# Altium PCB 2019.07.17.master.PcbDoc (part 4 of 6)
Units mm, origin at the board's own origin, x right, y up, seen from the top; angles counter-clockwise.
Board outline 160 x 120 mm, 6 copper layers (Top Signal, Top GND, Inner PWR, Inner Signal, Bottom GND, Bottom Signal), stack 1.571 mm thick; 405 components, 388 nets, 1694 pads, 1293 vias.
Unrouted connection lines stored in the file: 2.
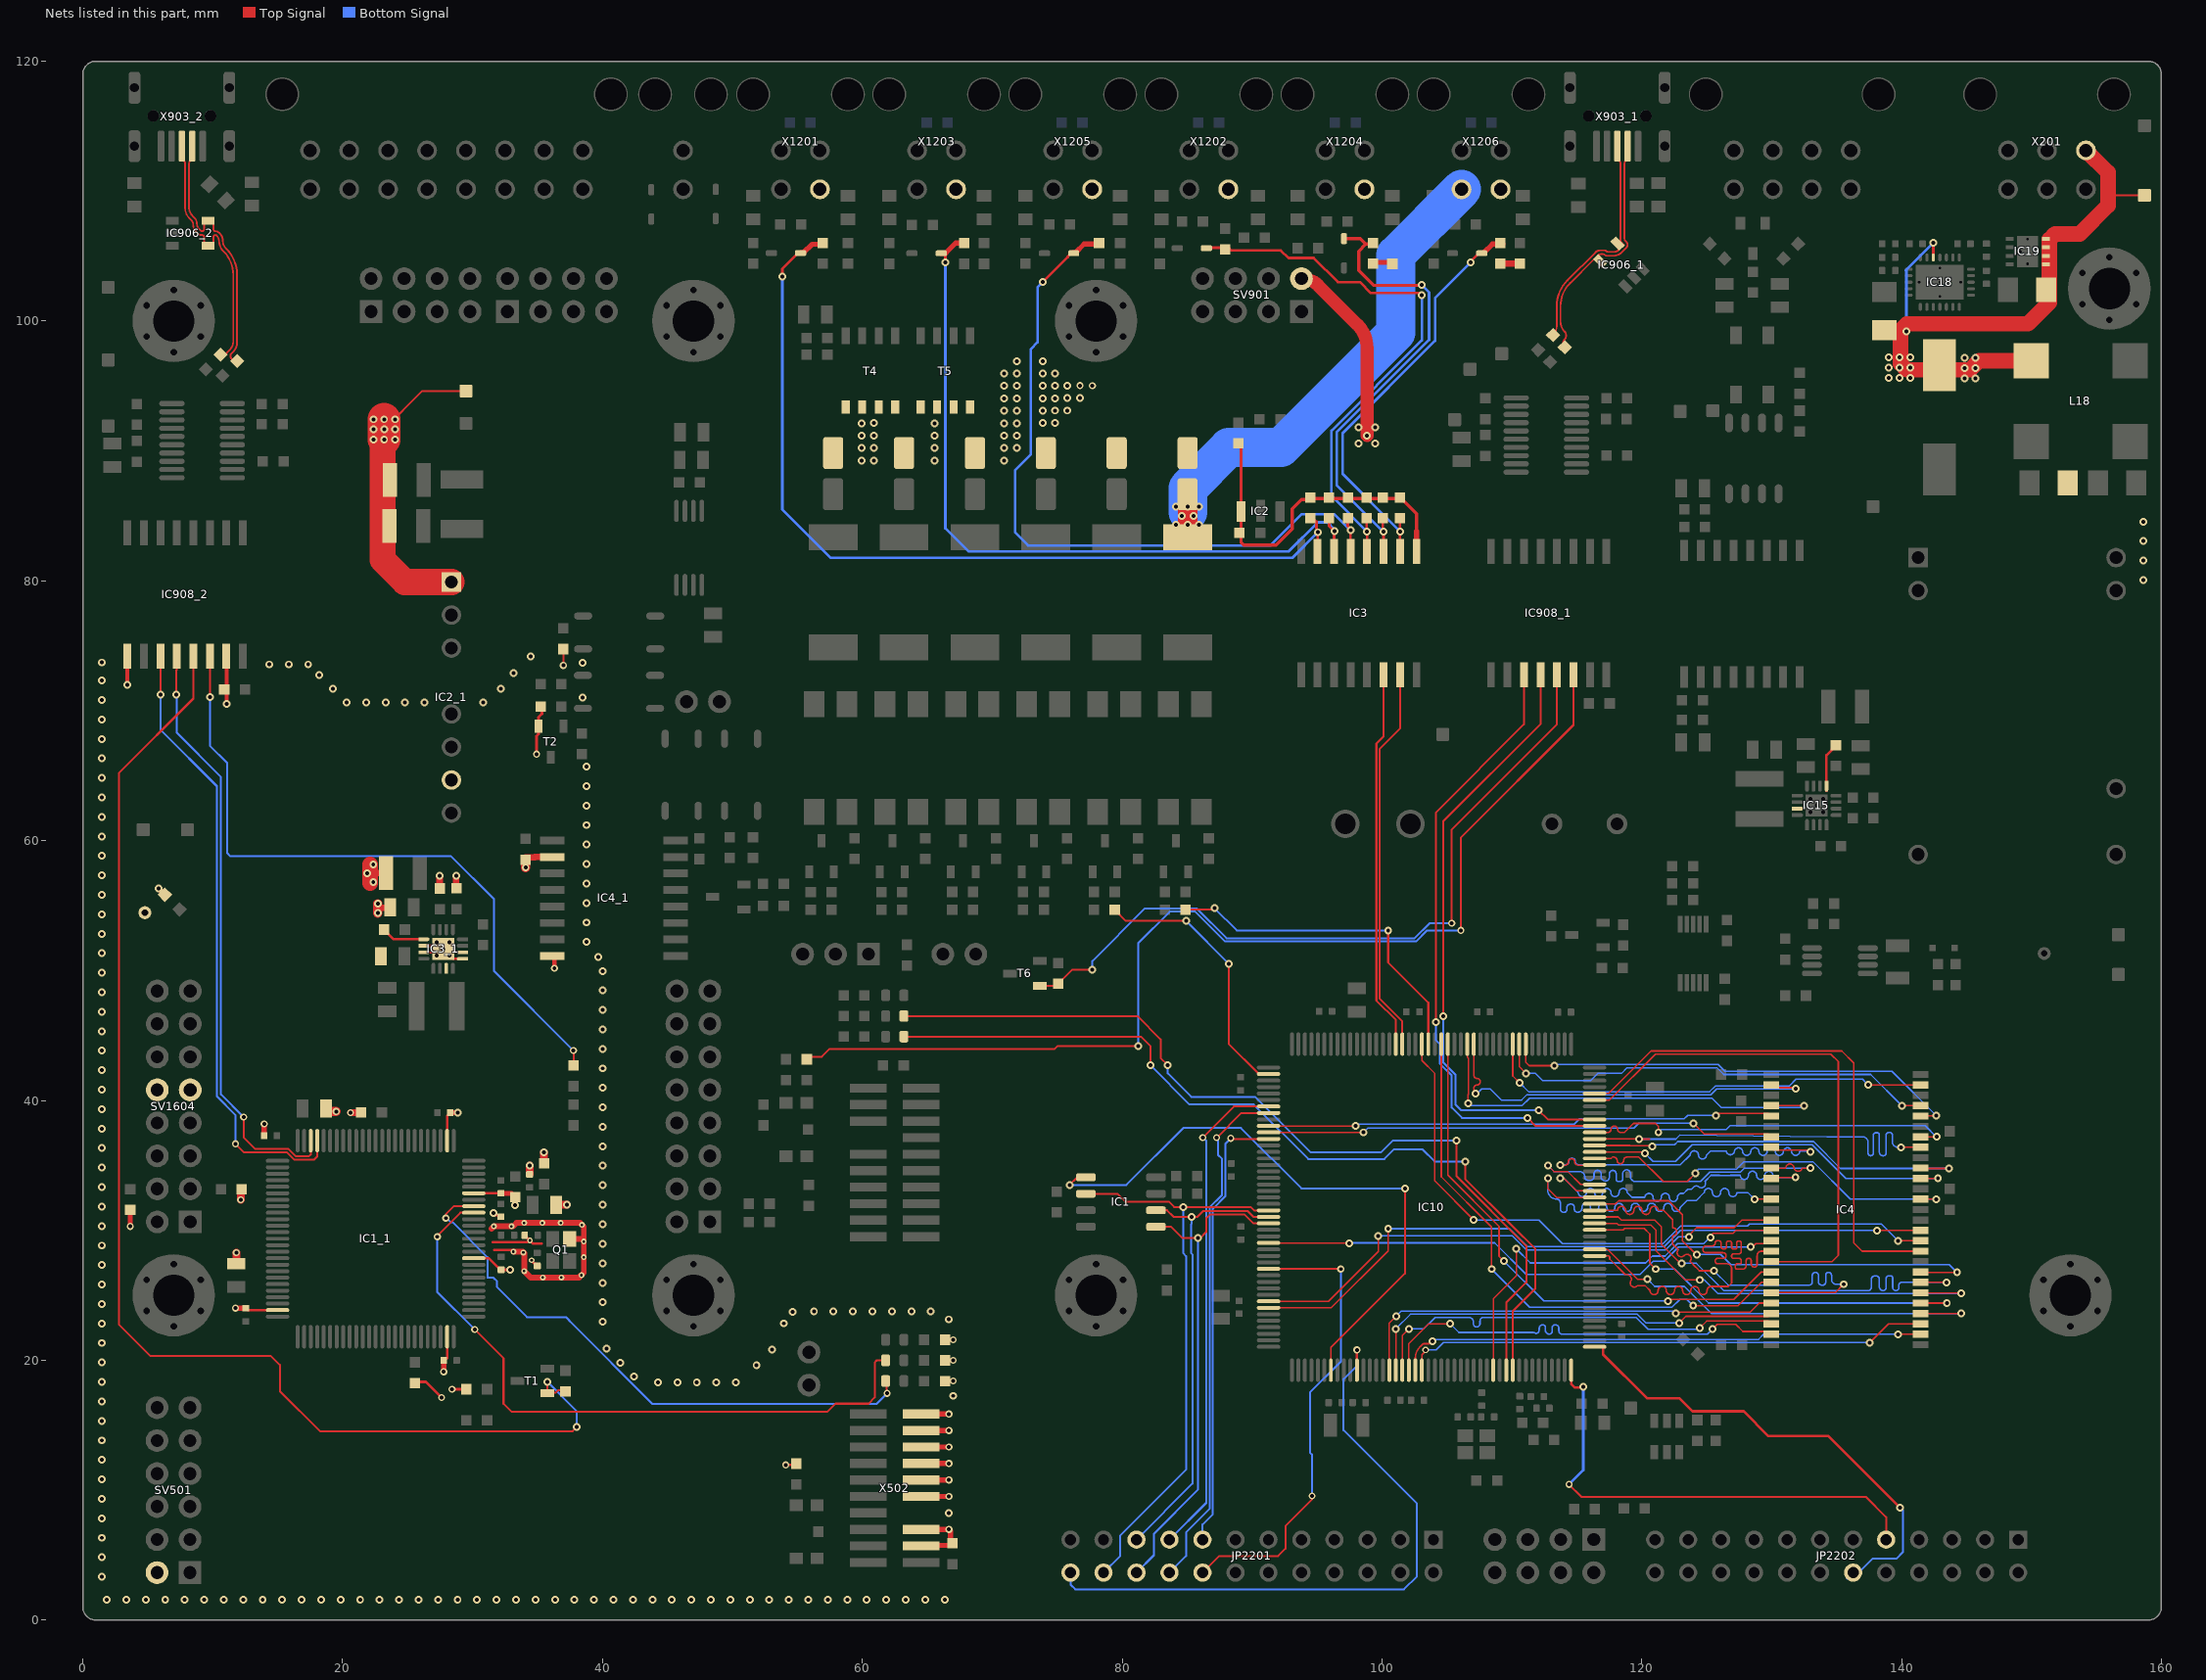
[diagram p8: the nets of this part, all layers, seen from the top]

## Via types
v1: diameter 0.6, hole 0.3, Top Signal to Bottom Signal, 971 vias
v2: diameter 0.55, hole 0.3, Top Signal to Bottom Signal, tented both sides, 231 vias
v3: diameter 0.5, hole 0.3, Top Signal to Bottom Signal, tented both sides, 42 vias
v4: diameter 0.45, hole 0.2, Top Signal to Bottom Signal, 31 vias
v5: diameter 0.55, hole 0.3, Top Signal to Bottom Signal, 12 vias
v6: diameter 0.6, hole 0.3, Top Signal to Bottom Signal, tented both sides, 5 vias
v7: diameter 0.5, hole 0.3, Top Signal to Bottom Signal, 1 vias

## Nets (pads, with @x,y where several pads share a name; then routed paths per layer and width w, separated by ;. In a path a pad name is that pad's centre, name@x,y a point inside that pad or via, vN(x,y) a via of type N, cw(c..) or ccw(c..) an arc to the next point about the centre after c; other vN are vias at no path point) (continued)
CONTACTOR_4_CONTROL: IC10.134 R1001_5.2 | length 20.7
  Top Signal w0.152: R1001_5.2@79.433,54.686 80.297,53.823 v1(84.938,53.823) ; v1(88.207,50.522) 88.207,44.35 90.523,42.034 IC10.134@91.273,42.034
  Bottom Signal w0.152: v1@84.938,53.807 88.207,50.538 88.223,50.538 v1(88.207,50.522)
CONTACTOR_4_FEEDBACK: IC3.14 IC10.116 | length 29.1
  Top Signal w0.152: IC3.14@100.127,72.769 100.127,68.021 99.577,67.472 99.577,47.681 101.072,46.185 IC10.116@101.072,44.534
CONTACTOR_4_FEEDBACK_EXT: R54.2 R56.2 | length 1.5
  Top Signal w0.4: R54.2@99.314,104.518 100.794,104.518 R56.2@100.805,104.507
CONTACTOR_5_COIL_POS: D1001_6.1 F1001_6.2 X1206.3 | length 38.9
  Top Signal w1.5: F1001_6.2@85.04,83.371 v1(85.04,84.325) v1(85.04,85.696) D1001_6.1@85.04,86.333
  Bottom Signal w3: 85.066,85.289 85.066,87.123 88.214,90.272 92.227,90.272 101.067,99.111 101.067,105.078 X1206.3@106.133,110.145
  other v1: 84.149,84.325 85.932,84.325 84.595,85.01 85.486,85.01 84.149,85.696 85.932,85.696
CONTACTOR_5_CONTROL: IC10.111 R1001_6.2 | length 26.4
  Top Signal w0.152: R1001_6.2@84.889,54.686 86.884,54.686 86.993,54.796 v1(87.114,54.796) v1@87.114,54.802 ; v1(100.482,53.086) 100.482,50.622 103.573,47.531 IC10.111@103.573,44.334
  Bottom Signal w0.152: v1(87.114,54.796) 88.825,53.086 v1(100.482,53.086)
CONTACTOR_5_FEEDBACK: IC3.15 IC10.115 | length 29.8
  Top Signal w0.152: IC3.15@101.397,72.769 101.397,68.631 99.83,67.064 99.83,47.828 101.573,46.085 IC10.115@101.573,44.334
CONTACTOR_5_FEEDBACK_EXT: R59.2 R60.2 | length 1.6
  Top Signal w0.5: R59.2@109.114,104.418 R60.2@110.633,104.418 ; R60.2@110.631,104.526 R60.2@110.708,104.527
CONTACTOR_6_CONTROL: IC10.139 JP2201.17 | length 38.3
  Top Signal w0.152: v2(86.203,37.133) 88.604,39.534 IC10.139@91.273,39.534
  Bottom Signal w0.152: JP2201.17@83.65,6.19 86.482,9.022 86.482,23.048 86.475,23.054 86.475,23.513 86.482,23.519 86.482,24.494 86.475,24.501 86.475,24.959 86.482,24.966 86.482,36.884 86.233,37.133 v2(86.203,37.133)
CONTACTOR_6_FEEDBACK: IC10.140 JP2201.18 | length 40.1
  Top Signal w0.152: v2(87.279,37.133) 89.18,39.034 IC10.140@91.273,39.034
  Bottom Signal w0.152: JP2201.18@83.65,3.65 84.933,4.933 84.933,6.752 86.734,8.553 86.734,23.152 86.728,23.159 86.728,23.408 86.734,23.415 86.734,24.599 86.728,24.605 86.728,24.855 86.734,24.861 86.734,31.764 87.699,32.728 87.699,35.495 87.379,35.814 87.379,37.032 v2(87.279,37.133)
CONTACTOR_7_CONTROL: IC10.144 JP2201.15 | length 34.5
  Top Signal w0.152: v2(88.363,37.083) 88.413,37.034 IC10.144@91.072,37.034
  Bottom Signal w0.152: JP2201.15@86.19,6.19 86.19,7.348 86.987,8.145 86.987,23.257 86.98,23.263 86.98,23.303 86.987,23.31 86.987,24.703 86.98,24.71 86.98,24.75 86.987,24.757 86.987,31.659 87.951,32.623 87.951,36.671 v2(88.363,37.083)
CONTACTOR_7_FEEDBACK: IC10.164 JP2201.16 | length 36.1
  Top Signal w0.152: JP2201.16@86.19,3.65 87.468,4.928 92.013,4.928 92.572,5.487 92.572,7.239 94.615,9.282 v2(94.615,9.55) ; IC10.164@91.073,27.034 IC10.164@91.273,27.034 96.821,27.034 v2(96.837,27.017)
  Bottom Signal w0.152: v2@94.615,9.754 94.615,12.742 94.467,12.89 94.467,17.508 96.837,19.878 v2(96.837,27.017)
CONTACTOR_8_CONTROL: IC10.44 JP2202.9 | length 37.2
  Top Signal w0.152: v2(114.403,10.439) 115.368,9.474 137.248,9.474 138.812,7.91 JP2202.9@138.812,6.19
  Top Signal w0.2: IC10.44@114.572,19.234 114.572,18.168 114.847,17.893 115.451,17.893 v1(115.496,17.938)
  Bottom Signal w0.2: v2(114.403,10.439) 115.496,11.533 v1(115.496,17.938)
CONTACTOR_8_FEEDBACK: IC10.45 JP2202.12 | length 37.6
  Top Signal w0.2: IC10.45@116.372,21.034 116.976,21.034 117.022,20.988 117.022,20.46 120.424,17.058 122.912,17.058 123.903,16.068 127.846,16.068 129.75,14.164 134.363,14.164 v1(139.878,8.65)
  Bottom Signal w0.15: JP2202.12@135.813,3.191 JP2202.12@136.272,3.65 136.695,3.65 137.77,4.724 139.607,4.724 140.106,5.224 140.106,8.421 v1(139.878,8.65)
CONTACTOR_FEEDBACK_SUPPLY_EXT: C50.1 C51.1 IC2.1 IC3.1 R50.2 R51.2 R52.2 R53.2 R55.2 R57.2 | length 27.2
  Top Signal w0.254: C50.1@88.951,90.664 89.161,90.454 C51.1@89.161,83.95 ; C51.1@89.211,83.9 C51.1@89.161,83.95 ; 102.667,83.803 102.667,85.152 101.497,86.322 101.397,86.322 100.076,86.322 98.821,86.322 97.378,86.322 95.936,86.322 94.493,86.322 94.44,86.269 93.817,86.269 93.091,85.543 93.091,83.998 91.846,82.753 89.357,82.753 89.161,82.949 C51.1@89.161,83.95
  Top Signal w0.4: IC3.1@102.667,82.269 102.667,83.803
CONTACTORS_COMMON_NEG: D1001_1.2 D1001_2.2 D1001_3.2 D1001_4.2 D1001_5.2 D1001_6.2 T4.5 T4.6 T4.7 T4.8 T5.5 T5.6 T5.7 T5.8 X1201.4 X1202.4 X1203.4 X1204.4 X1205.4 X1206.4
  other v1: 59.944,89.268 60.909,89.268 65.55,89.268 70.917,89.268 59.944,90.221 60.909,90.221 65.55,90.221 70.917,90.221 71.882,90.221 59.944,91.173 60.909,91.173 65.55,91.173 70.917,91.173 71.882,91.173 59.944,92.126 65.55,92.126 70.917,92.126 71.882,92.126 60.909,92.151 73.889,92.151 74.841,92.151 70.917,93.104 71.882,93.104 73.889,93.104 74.841,93.116 75.794,93.116 70.917,94.056 71.882,94.056 73.889,94.056 74.841,94.056 75.794,94.082 76.746,94.082 70.917,95.009 71.882,95.009 73.889,95.009 74.841,95.021 75.794,95.021 70.917,95.961 71.882,95.961 73.889,95.961 74.841,95.961 71.882,96.914 73.889,96.914
  other v2: 77.711,95.021 76.759,95.034
D_1_N: IC906_1.5 R913_1.2 X903_1.2 | length 19.3
  Top Signal w0.14: R913_1.2@114.008,97.904 cw(c114.155,98.052) 113.947,98.052 113.947,98.309 cw(c114.353,98.309) 114.066,98.596 ccw(c113.778,98.883) 114.185,98.883 114.185,98.896 ccw(c113.757,98.896) 114.059,99.198 cw(c114.818,99.957) 113.745,99.957 113.745,101.129 cw(c116.285,101.129) 114.489,102.925 116.268,104.705 116.274,104.705 116.329,104.76 116.655,104.76 IC906_1.5@116.792,104.622 ; IC906_1.5@116.619,105.021 116.639,105.041 cw(c116.916,104.764) 116.916,105.156 116.979,105.156 cw(c116.979,104.85) 117.196,105.066 ccw(c117.286,105.157) 117.286,105.029 117.853,105.029 ccw(c117.853,105.877) 118.453,105.277 118.821,105.664 ; IC906_1.5@116.792,104.948 IC906_1.5@116.792,104.622 ; IC906_1.5@116.796,104.618 IC906_1.5@116.792,104.622 ; 118.826,105.67 ccw(c118.621,105.874) 118.91,105.874 118.91,105.876 ccw(c118.621,105.876) 118.826,106.081 118.788,106.118 cw(c119.083,106.413) 118.666,106.413 118.666,112.072 cw(c119.1,112.072) 118.793,112.379 ccw(c118.486,112.686) 118.92,112.686 X903_1.2@118.92,113.464
D_1_P: IC906_1.4 R914_1.2 X903_1.3 | length 18
  Top Signal w0.14: R914_1.2@113.164,98.914 ccw(c112.467,99.612) 113.453,99.612 113.453,101.13 cw(c116.282,101.13) 114.282,103.131 116.451,105.301 cw(c116.782,104.97) 116.782,105.438 117.141,105.438 cw(c117.141,105.232) 117.286,105.377 ccw(c117.394,105.485) 117.394,105.333 117.944,105.333 ; R914_1.2@113.19,98.768 ccw(c113.337,98.915) R914_1.2@113.337,98.706 ; 117.942,105.331 ccw(c117.942,105.65) 118.167,105.425 118.618,105.875 118.374,106.119 118.374,112.072 ccw(c117.94,112.072) 118.247,112.379 cw(c118.553,112.686) 118.12,112.686 X903_1.3@118.12,113.464
D_2_N: IC906_2.5 R913_2.2 X903_2.2 | length 20.6
  Top Signal w0.14: X903_2.2@8.425,113.464 8.425,112.686 cw(c7.991,112.686) 8.298,112.379 ccw(c8.605,112.072) 8.171,112.072 8.171,108.802 ccw(c9.223,108.802) 8.479,108.058 8.613,107.924 cw(c8.191,107.503) 8.787,107.503 8.787,107.499 ccw(c9.375,107.499) 8.959,107.084 9.091,106.953 ccw(c9.189,107.051) 9.189,106.912 ccw(c9.189,107.051) 9.288,106.953 ccw(c9.189,107.051) 9.329,107.051 9.329,107.393 cw(c9.551,107.393) 9.394,107.551 cw(c9.551,107.393) 9.551,107.616 IC906_2.5@9.737,107.616 ; IC906_2.5@9.637,107.716 9.674,107.716 cw(c9.674,107.323) 9.812,107.691 cw(c9.674,107.323) 9.952,107.601 cw(c9.674,107.323) 10.067,107.323 10.067,107.051 ccw(c10.206,107.051) 10.108,106.953 ccw(c10.206,107.051) 10.206,106.912 10.208,106.912 cw(c10.208,106.484) 10.511,106.786 10.535,106.762 cw(c9.947,106.175) 10.778,106.175 ccw(c11.609,106.175) 11.021,105.587 11.046,105.563 cw(c9.045,103.562) 11.874,103.562 11.874,98.307 cw(c10.994,98.307) 11.617,97.684 11.437,97.504 ccw(c11.625,97.316) 11.359,97.316 ccw(c11.625,97.316) 11.437,97.128 11.639,96.925 ccw(c11.82,97.106) R913_2.2@11.82,96.85
  Top Signal w0.152: IC906_2.5@9.674,107.716 9.837,107.716 9.812,107.691 IC906_2.5@9.737,107.616
D_2_P: IC906_2.4 R914_2.2 X903_2.3 | length 20.2
  Top Signal w0.14: X903_2.3@7.625,113.464 7.625,112.686 ccw(c8.058,112.686) 7.752,112.379 cw(c7.445,112.072) 7.879,112.072 7.879,108.681 ccw(c8.931,108.681) 8.187,107.937 8.321,107.803 ; 8.321,107.803 cw(c7.899,107.382) 8.495,107.382 ccw(c9.091,107.382) 8.67,106.96 8.927,106.703 ccw(c9.129,106.905) 9.129,106.62 9.189,106.62 cw(c9.189,106.48) 9.288,106.579 cw(c9.189,106.48) 9.329,106.48 9.329,106.212 ccw(c9.889,106.212) IC906_2.4@9.493,105.816 ; IC906_2.4@9.637,105.816 9.674,105.816 ccw(c9.674,106.208) 9.952,105.931 ccw(c9.674,106.208) 10.067,106.208 10.067,106.48 cw(c10.206,106.48) 10.108,106.579 cw(c10.206,106.48) 10.206,106.62 cw(c10.206,106.48) 10.305,106.579 cw(c9.869,106.143) 10.486,106.143 ccw(c11.531,106.143) 10.792,105.404 ; R914_2.2@10.528,97.345 10.536,97.337 10.748,97.337 ccw(c10.748,97.755) 11.043,97.459 ccw(c10.988,97.515) 11.066,97.515 cw(c11.145,97.515) 11.089,97.57 11.324,97.805 ccw(c10.702,98.428) 11.582,98.428 11.582,103.561 ccw(c9.042,103.561) 10.838,105.357 10.792,105.404
  Top Signal w0.152: IC906_2.4@9.637,105.816 9.493,105.816 IC906_2.4@9.637,105.959
DATA_STORAGE_SPI_EEPROM_CS: IC1.1 IC10.7 | length 47.3
  Top Signal w0.15: v1(75.955,33.486) 76.551,34.082 IC1.1@77.21,34.082 ; IC10.7@96.073,19.234 96.073,20.972 101.778,26.677 v1@101.778,33.147
  Bottom Signal w0.15: v1(75.955,33.486) 80.324,33.486 84.709,37.871 89.154,37.871 93.802,33.223 v1(101.778,33.223)
DATA_STORAGE_SPI_Memory_NSS: IC10.11 JP2201.24 | length 49.9
  Top Signal w0.2: IC10.11@98.072,19.234 v5(98.072,20.797)
  Bottom Signal w0.15: JP2201.24@76.03,3.65 76.03,2.729 76.397,2.362 101.702,2.362 102.692,3.353 102.692,8.965 97.045,14.612 97.045,18.541 98.072,19.569 v5(98.072,20.797)
DATA_STORAGE_SPI_MISO: IC1.2 IC10.155 JP2201.22 | length 46.1
  Top Signal w0.152: IC1.2@77.21,32.812 79.627,32.812 80.232,32.207 83.599,32.207 84.006,31.801 v1(84.72,31.801) 89.894,31.801 90.161,31.534 IC10.155@91.273,31.534
  Bottom Signal w0.152: JP2201.22@78.11,3.19 JP2201.22@78.57,3.65 79.858,4.938 79.858,6.502 84.933,11.578 84.933,28.013 84.72,28.226 v1(84.72,31.801)
DATA_STORAGE_SPI_MOSI: IC1.5 IC10.157 JP2201.20 | length 38.8
  Top Signal w0.152: IC1.5@82.61,30.272 83.775,30.272 84.645,29.403 v1(85.833,29.403) 86.006,29.403 86.482,29.879 86.482,30.921 86.79,31.229 89.413,31.229 90.108,30.534 IC10.157@91.072,30.534
  Bottom Signal w0.152: JP2201.20@80.65,3.19 JP2201.20@81.11,3.65 82.448,4.988 82.448,6.645 85.833,10.03 v1(85.833,29.403)
DATA_STORAGE_SPI_SCK: IC1.6 IC10.156 JP2201.19 | length 35.9
  Top Signal w0.152: IC1.6@82.61,31.542 83.462,31.542 83.97,31.034 v1(85.335,31.034) 85.777,31.034 86.225,31.482 89.68,31.482 90.128,31.034 IC10.156@91.273,31.034
  Bottom Signal w0.152: JP2201.19@81.11,6.19 85.42,10.5 85.42,28.136 85.33,28.226 85.33,30.481 85.335,30.486 v1(85.335,31.034)
DEBUG_LED_0_MCU_0: IC10.35 LED1.2 | length 67.7
  Top Signal w0.15: LED1.2@63.2,44.911 81.439,44.911 82.194,44.156 v1(82.194,42.723) ; v1(106.401,35.306) 106.401,33.959 110.082,30.277 ; IC10.35@110.073,19.172 IC10.35@110.073,19.234 110.073,23.792 111.811,25.53 111.811,28.553 110.073,30.292
  Bottom Signal w0.15: v1(82.194,42.723) 82.194,42.697 85.196,39.695 90.122,39.695 94.328,35.489 100.184,35.489 100.909,36.214 103.139,36.214 104.048,35.306 v1(106.401,35.306)
DEBUG_LED_0_MCU_1: IC1_1.18 LED4.2 | length 45.3
  Top Signal w0.152: v2(27.94,30.937) 27.94,31.242 28.552,31.854 IC1_1.18@30.092,31.854 IC1_1.18@30.292,31.854 ; LED4.2@61.8,18.4 61.856,18.344 61.856,17.504 v2(61.912,17.448)
  Bottom Signal w0.152: v2(27.94,30.937) 27.991,30.937 28.302,30.626 28.456,30.626 31.15,27.932 31.15,26.367 31.159,26.357 31.586,26.357 31.881,26.062 31.881,25.636 34.193,23.323 37.187,23.323 37.467,23.043 37.467,23.01 43.84,16.637 61.102,16.637 v2(61.912,17.448)
DEBUG_LED_1_MCU_0: IC10.34 LED2.2 | length 69.1
  Top Signal w0.15: LED2.2@63.2,46.499 81.174,46.499 82.967,44.706 82.967,43.271 v1(83.515,42.723) ; v1(105.74,36.925) 105.74,34.177 111.122,28.795 111.122,25.983 109.573,24.434 IC10.34@109.573,19.234
  Bottom Signal w0.15: v1(83.515,42.723) 83.515,42.083 85.317,40.281 90.244,40.281 94.535,35.989 99.923,35.989 100.858,36.925 v1(105.74,36.925)
DEBUG_LED_1_MCU_1: IC1_1.17 LED5.2 | length 51.6
  Top Signal w0.152: v2(27.295,29.505) 27.295,29.581 29.068,31.354 IC1_1.17@30.092,31.354 IC1_1.17@30.293,31.354 ; v2(30.162,22.369) 32.385,20.146 32.385,16.654 33.02,16.019 57.309,16.019 57.944,16.654 60.484,16.654 60.96,17.13 60.96,19.829 61.119,19.988 LED5.2@61.75,19.988
  Bottom Signal w0.152: v2(27.295,29.505) 27.28,29.489 27.28,25.252 v2(30.162,22.369)
EN_3.3_0: IC15.13 R74.1 | length 4
  Top Signal w0.2: IC15.13@134.221,63.839 IC15.13@134.221,64.188 ; IC15.13@134.221,64.338 134.221,66.569 134.646,66.994 134.646,67.054 134.916,67.324 R74.1@134.977,67.324 ; R74.1@134.849,67.196 R74.1@134.977,67.324 ; R74.1@135.107,67.454 R74.1@134.977,67.324
EN_3.3_1: IC3_1.13 R3.1 | length 3.4
  Top Signal w0.2: R3.1@23.165,53.156 23.915,52.406 IC3_1.13@26.26,52.406
FB_EXT_0: D3.1 IC3.7 R28.2 R50.1 | length 69
  Top Signal w0.2: v1(53.848,103.429) 53.848,104.028 55.052,105.232 D3.1@55.252,105.232 ; R50.1@94.493,84.922 94.593,84.922 94.963,84.552 94.963,84.052 94.992,84.023 94.992,83.768 v1@95.047,83.713 ; IC3.7@95.047,82.269 v1@95.047,83.713 ; v1(95.069,83.735) v1@95.047,83.713
  Top Signal w0.4: D3.1@55.252,105.232 55.277,105.257 55.477,105.257 56.138,105.918 R28.2@56.941,105.918
  Bottom Signal w0.2: v1(53.848,103.429) 53.848,85.496 57.582,81.763 93.096,81.763 v1(95.069,83.735)
FB_EXT_1: D4.1 IC3.6 R37.2 R51.1 | length 58
  Top Signal w0.2: D4.1@66.266,105.218 66.39,105.094 66.39,104.981 66.396,104.976 v1(66.396,104.507) ; R51.1@95.936,84.922 R51.1@95.936,84.822 95.936,84.201 v1@96.317,83.82 ; IC3.6@96.317,82.269 v1@96.317,83.82 ; v1(96.342,83.845) v1@96.317,83.82
  Top Signal w0.4: D4.1@66.073,105.218 66.266,105.218 66.407,105.218 67.196,106.007 67.755,106.007 R37.2@67.843,105.918
  Bottom Signal w0.2: v1(66.396,104.507) 66.396,84.046 68.173,82.269 92.832,82.269 95.069,84.506 95.809,84.506 v1@96.329,83.985
FB_EXT_2: D5.1 IC3.5 R42.2 R52.1 | length 55.9
  Top Signal w0.2: v1(73.889,102.997) 75.812,104.92 75.812,104.954 76.075,105.218 D5.1@76.275,105.218 ; R52.1@97.378,84.922 97.378,84.217 97.587,84.008 v1(97.587,83.9) 97.587,83.371 ; IC3.5@97.587,82.269 97.587,83.321
  Top Signal w0.4: D5.1@76.196,105.243 76.221,105.268 76.421,105.268 77.082,105.929 R42.2@77.885,105.929
  Bottom Signal w0.2: v1(73.889,102.997) 73.493,102.602 73.493,98.36 72.974,97.841 72.974,89.738 71.755,88.519 71.755,83.735 72.762,82.728 91.415,82.728 93.802,85.115 96.342,85.115 97.558,83.9 v1(97.587,83.9)
FB_EXT_3: D6.1 IC3.4 R47.1 R53.1 | length 43.2
  Top Signal w0.2: R47.1@87.655,105.647 88.207,105.647 88.419,105.435 92.227,105.435 92.812,104.851 94.752,104.851 96.606,102.997 98.298,102.997 99.136,102.159 103.073,102.159 103.149,102.159 103.073,102.083 v1(103.073,102.008) ; R53.1@98.821,84.922 R53.1@98.821,84.822 98.821,83.839 v1(98.857,83.803) IC3.4@98.857,82.269
  Top Signal w0.254: D6.1@86.494,105.613 86.528,105.647 R47.1@87.655,105.647
  Bottom Signal w0.2: v1(98.857,83.803) 96.114,86.547 96.114,91.567 103.073,98.527 v1(103.073,102.008)
FB_EXT_4: D7.1 IC3.3 R54.1 R55.1 | length 36.4
  Top Signal w0.2: R55.1@100.076,84.922 R55.1@100.076,84.822 100.076,83.803 v1@100.084,83.795 ; IC3.3@100.127,82.269 100.127,83.574 100.084,83.616 v1@100.084,83.795 ; v1(100.127,83.795) v1@100.084,83.795
  Top Signal w0.254: D7.1@97.079,106.343 98.337,106.343 98.762,105.918 ; R54.1@99.314,105.918 98.762,105.918 ; v1(103.073,102.768) 103.048,102.743 99.374,102.743 98.222,103.895 98.222,105.377 98.762,105.918
  Bottom Signal w0.2: v1(100.127,83.795) 100.084,83.795 96.52,87.359 96.52,91.44 103.632,98.552 103.632,102.21 v1(103.073,102.768)
FB_EXT_5: D8.1 IC3.2 R57.1 R59.1 | length 32.2
  Top Signal w0.2: IC3.2@101.397,82.269 v1(101.397,83.803) R57.1@101.397,84.822 R57.1@101.397,84.922 ; v1(106.844,104.507) 106.844,104.578 107.484,105.218 D8.1@107.684,105.218
  Top Signal w0.4: D8.1@107.854,105.268 108.514,105.929 R59.1@109.317,105.929
  Bottom Signal w0.2: v1(101.397,83.803) 96.977,88.223 96.977,91.364 104.089,98.476 104.089,101.752 v1(106.844,104.507)
FMC_MCU_0_RAM_A0: IC4.23 IC10.16 | length 34
  Top Signal w0.12: IC10.16@100.573,19.234 100.573,22.866 v1(101.092,23.385) ; v1(122.628,23.596) 122.528,23.596 122.626,23.694 128.342,23.694 129.044,24.396 IC4.23@129.966,24.396
  Bottom Signal w0.12: v1(101.092,23.385) 101.483,23.776 122.447,23.776 v1(122.628,23.596)
FMC_MCU_0_RAM_A1: IC4.24 IC10.17 | length 33.6
  Top Signal w0.12: IC10.17@101.072,19.234 v1(101.072,22.418) 100.936,22.554 v1@101.244,22.554 ; v1(122.871,22.86) 123.392,23.381 129.751,23.381 IC4.24@129.966,23.596
  Bottom Signal w0.12: v1(101.072,22.418) 102.191,23.536 119.672,23.536 120.349,22.86 v1(122.871,22.86)
FMC_MCU_0_RAM_A2: IC4.25 IC10.18 | length 33.4
  Top Signal w0.12: IC10.18@101.573,19.234 101.573,21.918 v1(102.072,22.418) ; v1(124.475,22.491) 124.992,23.009 129.753,23.009 IC4.25@129.966,22.796
  Bottom Signal w0.12: v1(102.072,22.418) 103.218,22.418 104.097,23.296 106.687,23.296 cw(c106.687,22.933) 107.051,22.933 107.051,22.791 ccw(c107.283,22.791) 107.283,22.559 ccw(c107.283,22.827) 107.551,22.827 107.551,23.032 cw(c107.815,23.032) 107.815,23.296 119.573,23.296 120.496,22.373 124.356,22.373 v1(124.475,22.491)
FMC_MCU_0_RAM_A3: IC4.26 IC10.19 | length 33.5
  Top Signal w0.12: IC10.19@102.072,19.234 102.072,21.272 103.61,22.809 v1(105.258,22.809) ; v1(125.444,22.395) 125.807,22.758 127.236,22.758 127.784,22.211 129.751,22.211 IC4.26@129.966,21.996
  Bottom Signal w0.12: v1(105.258,22.809) 105.927,22.14 111.618,22.14 cw(c111.618,21.845) 111.793,22.083 ccw(c111.865,22.178) 111.896,22.062 ccw(c111.827,22.331) 112.105,22.331 112.105,22.46 cw(c112.371,22.46) 112.371,22.725 cw(c112.371,22.509) 112.587,22.509 112.587,22.307 ccw(c112.883,22.307) 112.883,22.01 112.895,22.01 ccw(c112.895,22.217) 113.101,22.217 113.101,22.501 cw(c113.325,22.501) 113.325,22.725 113.364,22.725 cw(c113.364,22.471) 113.619,22.471 113.619,22.27 ccw(c113.884,22.27) 113.884,22.004 125.053,22.004 v1(125.444,22.395)
FMC_MCU_0_RAM_A4: IC4.29 IC10.20 | length 40.9
  Top Signal w0.12: IC10.20@102.573,19.234 102.573,20.166 cw(c103.799,20.166) 102.932,21.034 103.114,21.216 cw(c103.249,21.08) 103.249,21.272 103.695,21.272 ccw(c103.695,21.473) v1(103.897,21.473) ; v1(139.725,21.996) IC4.29@141.466,21.996
  Bottom Signal w0.12: v1(103.897,21.473) 104.026,21.603 128.994,21.603 129.386,21.996 v1(139.725,21.996)
FMC_MCU_0_RAM_A5: IC4.30 IC10.21 | length 40.6
  Top Signal w0.12: IC10.21@103.072,19.234 103.072,20.412 v7@103.452,20.792 ; v1(137.528,21.331) 138.993,22.796 IC4.30@141.466,22.796
  Bottom Signal w0.12: v7@103.452,20.792 104.176,20.792 104.747,21.363 137.496,21.363 v1(137.528,21.331)
  other v7: 103.363,20.792
FMC_MCU_0_RAM_A6: IC4.31 IC10.60 | length 33.4
  Top Signal w0.12: IC10.60@116.372,28.534 117.379,28.534 119.685,26.228 v1(120.451,26.228) ; IC4.31@141.466,23.596 v1(144.577,23.596)
  Bottom Signal w0.12: v1(120.451,26.228) 120.999,25.679 123.292,25.679 125.375,23.596 v1(144.577,23.596)
FMC_MCU_0_RAM_A7: IC4.32 IC10.63 | length 32.9
  Top Signal w0.12: IC10.63@116.372,30.034 118.569,30.034 118.688,30.153 120.183,30.153 120.625,29.711 120.625,27.471 v1(121.079,27.017) ; IC4.32@141.466,24.396 v1(143.482,24.396)